# Altium PCB DIOT_temperature_logger.PcbDoc (part 6 of 8) (continued)
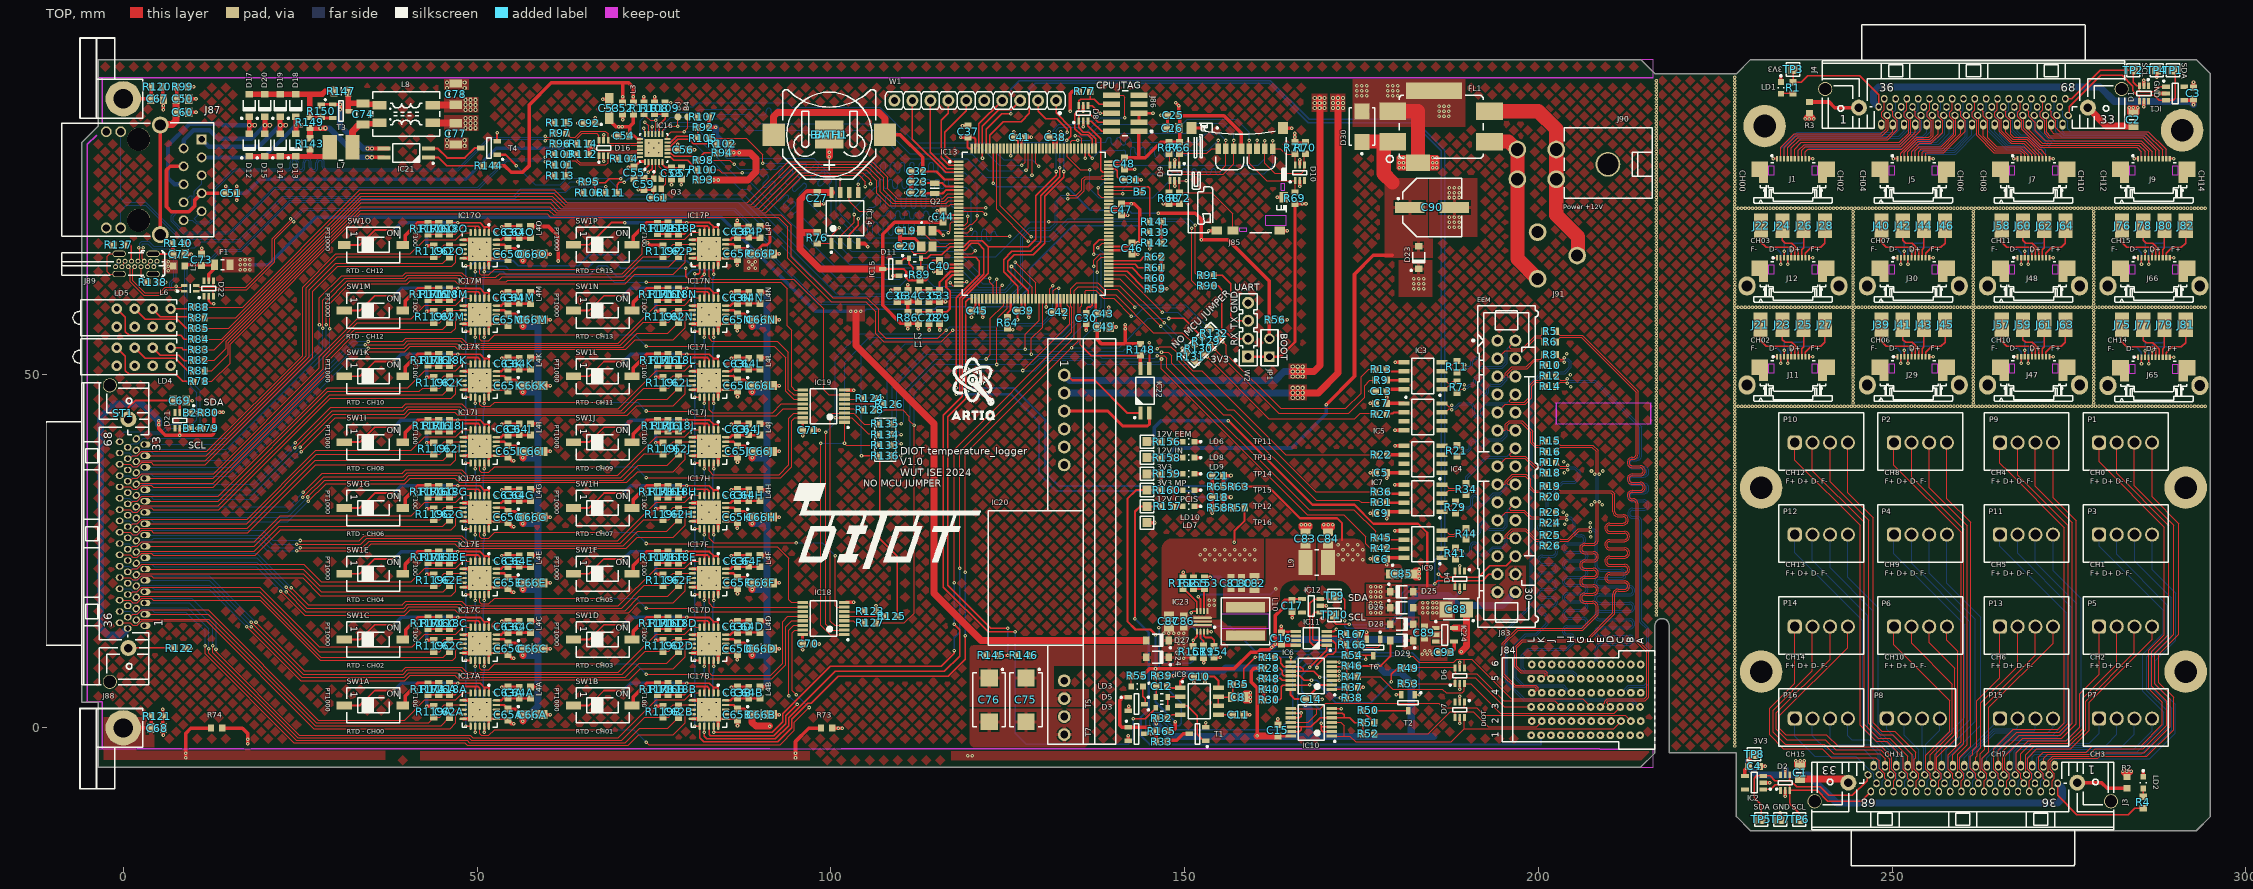
[diagram p0: TOP view]
## Nets (pads, with @x,y where several pads share a name; then routed paths per layer and width w, separated by ;. In a path a pad name is that pad's centre, name@x,y a point inside that pad or via, vN(x,y) a via of type N, cw(c..) or ccw(c..) an arc to the next point about the centre after c; other vN are vias at no path point) (continued)
  TOP w0.2: LD4.6@4.15,53.72 5.22,52.65 7.875,52.65 8.625,51.9 9.83,51.9 R82.2@9.88,51.95
NetLD4_8: LD4.8 R83.2 | length 3.3
  TOP w0.2: LD4.8@6.69,53.72 8.235,53.72 8.505,53.45 R83.2@9.88,53.45
NetLD5_2: LD5.2 R84.2 | length 13.8
  TOP w0.2: LD5.2@-0.93,59.22 0.28,58.01 0.28,56 0.83,55.45 8.13,55.45 8.63,54.95 R84.2@9.88,54.95
NetLD5_4: LD5.4 R85.2 | length 9.4
  TOP w0.2: LD5.4@1.61,59.22 3.105,57.725 7.63,57.725 8.905,56.45 R85.2@9.88,56.45
NetLD5_6: LD5.6 R87.2 | length 6.3
  TOP w0.2: LD5.6@4.15,59.22 5.245,58.125 9.705,58.125 R87.2@9.88,57.95
NetLD5_8: LD5.8 R88.2 | length 3.2
  TOP w0.2: LD5.8@6.69,59.25 R88.2@9.88,59.25
NetLD6_2: LD6.2 R156.2 | length 1.5
  TOP w0.5: R156.2@148.28,40.45 LD6.2@149.755,40.45
NetLD7_2: LD7.2 R157.2 | length 1.4
  TOP w0.5: R157.2@148.38,31.3 LD7.2@149.755,31.3
NetLD8_2: LD8.2 R158.2 | length 1.4
  TOP w0.5: R158.2@148.38,38.2 LD8.2@149.755,38.2
NetLD9_2: LD9.2 R159.1 | length 1.4
  TOP w0.5: R159.1@148.38,35.9 LD9.2@149.755,35.9
NetLD10_2: LD10.2 R160.1 | length 1.4
  TOP w0.5: R160.1@148.38,33.6 LD10.2@149.755,33.6
NetR33_1: R33.1 T1.3 | length 3.4
  TOP w0.5: R33.1@147.58,-1.75 148.905,-1.75 149.805,-0.85 T1.3@150.655,-0.85
NetR50_1: R50.1 T2.3 | length 4.8
  TOP w0.2: R50.1@176.78,2.45 176.83,2.4 T2.3@181.58,2.4
NetR50_2: R50.2 R51.1 | length 2.4
  TOP w0.2: R50.2@175.18,2.35 R50.2@175.18,2.45
  TOP w0.3: R50.2@175.18,2.35 R51.1@176.78,0.75
NetR54_2: R54.2 T5.1 T6.3 T7.1 | length 52.9
  TOP w0.2: R54.2@174.48,10.25 175.58,10.25 ; v1(175.58,9.7) 175.58,10.25 ; T6.3@176.68,10.2 176.63,10.25 175.58,10.25
  TOP w0.5: T5.1@142.13,4.3 T5.1@142.03,4.3 141.255,4.3 140.855,3.9 140.855,0.375 141.13,0.1 v2(145.055,0.1)
  BOT w0.2: v2(145.055,0.1) 145.055,1.025 145.58,1.55 146.255,1.55 148.105,-0.3 163.355,-0.3 165.28,1.625 165.28,8.325 166.68,9.725 168.53,9.725 168.88,10.075 174.055,10.075 174.43,9.7 v1(175.58,9.7)
NetR116A_1: R116A.1 R117A.1 SW1A.2 | length 6.5
  TOP w0.5: SW1A.2@39.88,3.175 39.88,4.55 41.605,6.275 42.88,6.275 R116A.1@44.28,6.275
NetR116B_1: R116B.1 R117B.1 SW1B.2 | length 6.6
  TOP w0.5: SW1B.2@72.105,3.175 72.105,4.375 74.005,6.275 75.28,6.275 R116B.1@76.68,6.275
NetR116C_1: R116C.1 R117C.1 SW1C.2 | length 6.5
  TOP w0.5: SW1C.2@39.905,12.5 39.905,13.875 41.605,15.575 42.88,15.575 R116C.1@44.28,15.575
NetR116D_1: R116D.1 R117D.1 SW1D.2 | length 6.6
  TOP w0.5: SW1D.2@72.105,12.475 72.105,13.675 74.005,15.575 75.28,15.575 R116D.1@76.68,15.575
NetR116E_1: R116E.1 R117E.1 SW1E.2 | length 6.5
  TOP w0.5: SW1E.2@39.88,21.775 39.88,23.15 41.605,24.875 42.88,24.875 R116E.1@44.28,24.875
NetR116F_1: R116F.1 R117F.1 SW1F.2 | length 6.6
  TOP w0.5: SW1F.2@72.105,21.775 72.105,22.975 74.005,24.875 75.28,24.875 R116F.1@76.68,24.875
NetR116G_1: R116G.1 R117G.1 SW1G.2 | length 6.5
  TOP w0.5: SW1G.2@39.88,31.075 39.88,32.45 41.605,34.175 42.88,34.175 R116G.1@44.28,34.175
NetR116H_1: R116H.1 R117H.1 SW1H.2 | length 6.6
  TOP w0.5: SW1H.2@72.105,31.075 72.105,32.275 74.005,34.175 75.28,34.175 R116H.1@76.68,34.175
NetR116I_1: R116I.1 R117I.1 SW1I.2 | length 6.5
  TOP w0.5: SW1I.2@39.88,40.375 39.88,41.75 41.605,43.475 42.88,43.475 R116I.1@44.28,43.475
NetR116J_1: R116J.1 R117J.1 SW1J.2 | length 6.6
  TOP w0.5: SW1J.2@72.105,40.375 72.105,41.575 74.005,43.475 75.28,43.475 R116J.1@76.68,43.475
NetR116K_1: R116K.1 R117K.1 SW1K.2 | length 6.5
  TOP w0.5: SW1K.2@39.88,49.675 39.88,51.05 41.605,52.775 42.88,52.775 R116K.1@44.28,52.775
NetR116L_1: R116L.1 R117L.1 SW1L.2 | length 6.6
  TOP w0.5: SW1L.2@72.105,49.675 72.105,50.875 74.005,52.775 75.28,52.775 R116L.1@76.68,52.775
NetR116M_1: R116M.1 R117M.1 SW1M.2 | length 6.5
  TOP w0.5: SW1M.2@39.88,58.975 39.88,60.35 41.605,62.075 42.88,62.075 R116M.1@44.28,62.075
NetR116N_1: R116N.1 R117N.1 SW1N.2 | length 6.6
  TOP w0.5: SW1N.2@72.105,58.975 72.105,60.175 74.005,62.075 75.28,62.075 R116N.1@76.68,62.075
NetR116O_1: R116O.1 R117O.1 SW1O.2 | length 6.5
  TOP w0.5: SW1O.2@39.88,68.25 39.88,69.625 41.605,71.35 42.88,71.35 R116O.1@44.28,71.35
NetR116P_1: R116P.1 R117P.1 SW1P.2 | length 6.6
  TOP w0.5: SW1P.2@72.105,68.275 72.105,69.475 74.005,71.375 75.28,71.375 R116P.1@76.68,71.375
NetR139_1: R139.1 R141.1 R142.2 | length 2.8
  TOP w0.3: R139.1@146.68,70.05 R141.1@146.68,71.45
  TOP w0.5: R142.2@146.68,68.65 R139.1@146.68,70.05
NetR166_2: R166.2 R167.2 T6.1 | length 5.7
  TOP w0.152: R167.2@174.48,13.25 R166.2@174.48,11.75 175.155,11.75 175.507,11.398 177.356,11.398 177.63,11.671 T6.1@177.63,12.5
OSC32_IN: C23.1 IC13.8 Q2.2 | length 5.3
  TOP w0.3: C23.1@112.98,76.95 113.005,76.975 Q2.2@114.68,76.975 115.755,76.975 116.23,76.5 IC13.8@118.055,76.5
OSC32_OUT: C22.1 IC13.9 Q2.1 | length 5.3
  TOP w0.3: C22.1@112.98,75.55 114.655,75.55 Q2.1@114.68,75.525 115.78,75.525 116.255,76 IC13.9@118.055,76
P3V3: C5.1 C6.1 C7.2 C9.1 C13.1 C25.2 C26.2 C27.2 C37.2 C38.2 C39.2 C40.2 C41.2 C42.2 C43.2 C44.2 C45.2 C46.2 C47.2 C48.2 C49.2 C52.2 C56.2 C65A.2 C65B.2 C65C.2 C65D.2 C65E.2 C65F.2 C65G.2 C65H.2 C65I.2 C65J.2 C65K.2 C65L.2 C65M.2 C65N.2 C65O.2 C65P.2 C66A.1 C66B.1 C66C.1 C66D.1 C66E.1 C66F.1 C66G.1 C66H.1 C66I.1 C66J.1 C66K.1 C66L.1 C66M.1 C66N.1 C66O.1 C66P.1 C70.2 C71.2 C84.2 C85.1 D8.5 D9.5 D10.5 D21.5 D28.2 IC3.8 IC4.8 IC5.1 IC7.8 IC9.8 IC13.17 IC13.30 IC13.39 IC13.52 IC13.62 IC13.72 IC13.84 IC13.95 IC13.108 IC13.121 IC13.131 IC13.143 IC13.144 IC14.8 IC15.3 IC16.9 IC17A.19 IC17B.19 IC17C.19 IC17D.19 IC17E.19 IC17F.19 IC17G.19 IC17H.19 IC17I.19 IC17J.19 IC17K.19 IC17L.19 IC17M.19 IC17N.19 IC17O.19 IC17P.19 IC18.16 IC19.16 J85.4 J86.1 J88.35 JP1.1 L1.1 L3.1 L4A.2 L4B.2 L4C.2 L4D.2 L4E.2 L4F.2 L4G.2 L4H.2 L4I.2 L4J.2 L4K.2 L4L.2 L4M.2 L4N.2 L4O.2 L4P.2 L9.2 R63.2 R66.2 R67.2 R68.2 R69.2 R70.2 R71.2 R72.2 R76.2 R77.2 R79.1 R80.1 R86.2 R89.2 R92.2 R93.2 R94.2 R107.1 R108.1 R123.1 R144.2 R148.2 R152.2 R159.2 TP14.1 W1.10 W2.1 | length 606.1
  TOP w0.2: C37.2@119.405,83.475 C37.2@119.48,83.55
  TOP w0.3: v1(7.98,41.35) D21.5@7.98,42.35 ; IC16.9@76.88,81.7 C56.2@78.355,81.7 ; IC15.3@107.33,64.85 110.28,64.85 110.655,64.475 110.655,63.6 111.005,63.25 R89.2@112.58,63.25 113.455,63.25 113.73,63.525 113.73,65.3 114.48,66.05 C40.2@115.38,66.05 ; C40.2@115.28,66.05 115.83,65.5 IC13.30@118.055,65.5 ; C44.2@115.78,71.45 116.33,72 IC13.17@118.055,72 ; C37.2@119.405,83.475 119.305,83.375 119.305,82.05 119.48,81.875 IC13.144@119.93,81.875 ; C37.2@119.48,83.55 119.605,83.425 120.23,83.425 120.43,83.225 IC13.143@120.43,81.875 ; IC13.39@120.93,60.625 120.93,59.4 C45.2@121.48,58.85 ; C41.2@125.88,83.65 126.43,83.1 IC13.131@126.43,81.875 ; IC13.52@127.43,60.625 127.43,59.4 C39.2@127.98,58.85 ; C38.2@130.98,83.55 131.43,83.1 IC13.121@131.43,81.875 ; IC13.62@132.43,60.625 132.43,59.4 132.98,58.85 C42.2@132.98,58.75 ; C49.2@137.43,57.2 IC13.72@137.43,60.625 ; IC13.84@139.305,68 142.03,68 C46.2@142.58,68.55 ; IC13.95@139.305,73.5 140.53,73.5 C47.2@141.08,74.05 ; IC13.108@139.305,80 141.03,80 C48.2@141.58,80.55 ; J86.1@143.494,84.274 J86.1@143.53,84.31 ; R63.2@158.48,34.1 161.83,34.1 166.305,29.625 171.555,29.625 172.255,28.925 172.255,26.575
  TOP w0.35: IC17A.19@52.73,3.225 53.83,3.225 C65A.2@54.38,2.675 ; IC17C.19@52.73,12.525 53.83,12.525 C65C.2@54.38,11.975 ; IC17E.19@52.73,21.825 53.83,21.825 C65E.2@54.38,21.275 ; IC17G.19@52.73,31.125 53.83,31.125 C65G.2@54.38,30.575 ; IC17I.19@52.73,40.425 53.83,40.425 C65I.2@54.38,39.875 ; IC17K.19@52.73,49.725 53.83,49.725 C65K.2@54.38,49.175 ; IC17M.19@52.73,59.025 53.83,59.025 C65M.2@54.38,58.475 ; IC17O.19@52.73,68.3 53.83,68.3 C65O.2@54.38,67.75 ; IC17B.19@85.13,3.225 86.23,3.225 C65B.2@86.78,2.675 ; IC17D.19@85.13,12.525 86.23,12.525 C65D.2@86.78,11.975 ; IC17F.19@85.13,21.825 86.23,21.825 C65F.2@86.78,21.275 ; IC17H.19@85.13,31.125 86.23,31.125 C65H.2@86.78,30.575 ; IC17J.19@85.13,40.425 86.23,40.425 C65J.2@86.78,39.875 ; IC17L.19@85.13,49.725 86.23,49.725 ; IC17N.19@85.13,59.025 86.23,59.025 C65N.2@86.78,58.475 ; IC17P.19@85.13,68.325 86.23,68.325 C65P.2@86.78,67.775
  TOP w0.4: C65A.2@54.38,2.675 55.405,2.675 56.205,1.875 C66A.1@56.48,1.875 ; C65C.2@54.38,11.975 55.405,11.975 56.205,11.175 C66C.1@56.48,11.175 ; C65E.2@54.38,21.275 55.405,21.275 C66E.1@56.205,20.475 ; C65G.2@54.38,30.575 55.405,30.575 56.205,29.775 C66G.1@56.48,29.775 ; C65I.2@54.38,39.875 55.405,39.875 56.205,39.075 C66I.1@56.48,39.075 ; C65K.2@54.38,49.175 55.405,49.175 56.205,48.375 C66K.1@56.48,48.375 ; C65M.2@54.38,58.475 55.405,58.475 56.205,57.675 C66M.1@56.48,57.675 ; C65O.2@54.38,67.75 55.405,67.75 56.205,66.95 C66O.1@56.48,66.95 ; 86.23,49.725 C65L.2@86.78,49.175 87.805,49.175 88.605,48.375 C66L.1@88.88,48.375 ; C65B.2@86.78,2.675 87.805,2.675 88.605,1.875 C66B.1@88.88,1.875 ; C65D.2@86.78,11.975 87.805,11.975 88.605,11.175 C66D.1@88.88,11.175 ; C65F.2@86.78,21.275 87.805,21.275 88.605,20.475 C66F.1@88.88,20.475 ; C65H.2@86.78,30.575 87.805,30.575 88.605,29.775 C66H.1@88.88,29.775 ; C65J.2@86.78,39.875 87.805,39.875 88.605,39.075 C66J.1@88.88,39.075 ; C65N.2@86.78,58.475 87.805,58.475 88.605,57.675 C66N.1@88.88,57.675 ; C65P.2@86.78,67.775 87.805,67.775 88.605,66.975 C66P.1@88.88,66.975 89.08,66.975 90.355,68.25 90.98,68.25 91.405,68.675 91.405,70.475 91.005,70.875 L4P.2@89.98,70.875 ; 95.455,70.875 95.655,71.075 ; v1@95.98,11.075 C70.2@95.98,12.05 ; C70.2@96.005,11.875 IC18.16@96.005,13.175 ; C71.2@96.03,42 IC19.16@96.03,43.175 ; W2.1@158.98,52.45 JP1.1@161.98,52.45 163.48,52.45 165.58,54.55 R69.2@165.58,74.05
  TOP w0.5: v1(5.005,43.4) v2(5.005,42.86) 5.005,42.3 5.955,41.35 v1(7.98,41.35) 12.53,41.35 12.78,41.6 R79.1@12.78,42.35 R80.1@12.78,44.55 ; R80.1@12.805,44.575 v1(13.605,44.575) v1@14.13,44.575 ; R144.2@52.48,79.45 53.88,79.45 54.83,78.5 56.43,78.5 57.405,79.475 57.405,88.075 60.505,91.175 70.58,91.175 ; L4A.2@57.58,5.775 v1(58.605,5.775) ; L4C.2@57.58,15.075 v1(58.605,15.075) ; L4E.2@57.58,24.375 v1(58.605,24.375) ; L4G.2@57.58,33.675 v1(58.605,33.675) ; L4I.2@57.58,42.975 v1(58.605,42.975) ; L4K.2@57.58,52.275 v1(58.605,52.275) ; L4M.2@57.58,61.575 v1(58.605,61.575) ; L4O.2@57.58,70.85 v1(58.605,70.85) 60.105,70.85 61.48,69.475 v2(61.48,65.975) ; C52.2@70.58,88.35 v1@70.58,89.1 ; v1(70.58,89.175) 70.58,91.175 ; L3.1@72.055,88.35 v1(72.055,89.175) 72.055,90.525 71.405,91.175 70.58,91.175 ; R108.1@75.08,88.35 v1(75.08,89.175) ; C56.2@78.355,81.7 v1(78.355,82.475) ; R107.1@82.78,86.35 R92.2@82.78,84.85 v1(83.705,84.85) ; L4B.2@89.98,5.775 v1(91.005,5.775) ; L4D.2@89.98,15.075 v1(91.005,15.075) ; L4F.2@89.98,24.375 v1(91.005,24.375) ; L4H.2@89.98,33.675 v1(91.005,33.675) ; L4J.2@89.98,42.975 v1(91.005,42.975) ; L4L.2@89.98,52.275 v1(91.005,52.275) ; L4N.2@89.98,61.575 v1(91.005,61.575) ; v1@95.98,11.075 v1(96.005,11.05) ; C71.2@95.98,42.05 96.03,42 v1(96.03,41.25) ; R123.1@106.38,16.5 v1(106.38,17.275) ; v1(110.88,56.375) R86.2@110.88,57.15 ; v1(112.38,56.375) L1.1@112.38,57.15 R86.2@110.88,57.15 ; C44.2@115.88,71.45 115.78,71.45 109.005,71.45 107.33,69.775 IC15.3@107.33,64.85 107.33,59.7 109.88,57.15 R86.2@110.88,57.15 ; v1(118.38,83.45) C37.2@119.38,83.45 ; v1(121.48,58.025) C45.2@121.48,58.85 ; C41.2@125.88,83.65 v1(125.88,84.275) ; v1(127.98,58.025) C39.2@127.98,58.85 ; C38.2@130.88,83.45 v1(130.88,84.275) ; v1(132.98,57.925) C42.2@132.98,58.75 ; v1(133.825,87.125) 133.825,89.62 134.155,89.95 R77.2@135.055,89.95 ; v1(135.68,87.125) D8.5@135.68,87.95 ; C49.2@137.63,56.7 C49.2@137.68,56.65 137.68,54.825 138.255,54.25 141.498,54.25 ; C47.2@141.08,74.05 v1(142.455,74.05) 142.88,74.05 143.655,73.275 143.655,68.8 v1(143.405,68.55) C46.2@142.58,68.55 ; v2(141.58,56.975) v2(141.58,56.4) 141.58,54.332 141.498,54.25 ; C48.2@141.58,80.55 143.455,80.55 ; 143.494,80.589 J86.1@143.494,84.274 ; 143.505,80.55 144.43,80.55 146.63,82.75 R67.2@147.78,82.75 R66.2@149.28,82.75 149.28,86.45 C25.2@149.205,86.525 ; R148.2@143.78,54.25 141.498,54.25 ; TP14.1@144.68,35.9 R159.2@146.78,35.9 ; v3(146.68,34.85) R159.2@146.68,35.9 ; v1(146.955,74.05) R68.2@147.78,74.05 R72.2@149.18,74.05 ; v1(148.58,76.575) D9.5@148.58,77.35 ; v2(148.755,88.325) v1(149.18,87.9) C25.2@149.18,86.55 C25.2@149.205,86.525 ; R152.2@149.78,21.25 v2(149.78,21.975) ; J85.4@158.03,81.85 158.03,84.05 155.555,86.525 C25.2@149.205,86.525 ; R69.2@165.58,74.05 v1(166.63,74.05) v2(167.155,74.05) ; v2(165.58,84.05) v1(165.58,83.5) R71.2@165.58,82.75 165.58,82.65 R70.2@167.08,82.65 ; D10.5@166.28,79.55 v1(166.28,80.3) ; v1(178.58,23.05) C6.1@178.58,23.85 ; C6.1@178.58,24.05 180.975,24.05 IC9.8@180.98,24.045 ; v1(178.58,29.575) C9.1@178.58,30.325 ; C9.1@178.58,30.425 C9.1@178.585,30.42 ; v1(178.58,35.3) C5.1@178.58,36.05 178.585,36.045 IC4.8@180.98,36.045 ; C7.2@178.58,45.85 v1(178.58,46.7) C13.1@178.58,47.55 178.88,47.85 IC3.8@180.975,47.85 ; C9.1@178.585,30.545 IC7.8@180.98,30.545 ; C7.2@178.585,45.855 IC5.1@180.98,45.855
  TOP w1: v2@56.48,28.86 C66G.1@56.48,29.775 ; v2@56.48,38.16 C66I.1@56.48,39.075 ; v2@56.48,47.46 C66K.1@56.48,48.375 ; v2@56.48,56.76 C66M.1@56.48,57.675 ; v2@56.48,66.035 C66O.1@56.48,66.95 ; v2@56.49,0.96 C66A.1@56.49,1.875 ; v2@56.49,10.26 C66C.1@56.49,11.175 ; v2@56.49,19.56 C66E.1@56.49,20.475 ; R93.2@82.855,77.425 v1(83.48,77.425) v1(84.08,77.425) 88.28,77.425 89.393,78.538 89.393,78.575 ; R94.2@85.555,81.25 v1(86.305,81.25) ; v1(87.055,81.25) 88.605,81.25 89.393,80.463 89.393,78.575 ; C66B.1@88.88,1.875 88.88,0.775 89.405,0.25 v1(91.355,0.25) ; v2@88.88,10.26 C66D.1@88.88,11.175 ; v2@88.88,19.56 C66F.1@88.88,20.475 ; v2@88.88,28.86 C66H.1@88.88,29.775 ; v2@88.88,38.16 C66J.1@88.88,39.075 ; v2@88.88,47.46 C66L.1@88.88,48.375 ; v2@88.88,56.76 C66N.1@88.88,57.675 ; 89.355,78.575 89.393,78.575 ; R76.2@98.055,70.025 95.655,70.025 ; IC14.8@100.075,75.65 C27.2@98.08,75.65 96.73,75.65 95.655,74.575 95.655,71.075 95.655,70.025 ; IC15.3@107.33,64.85 98.455,64.85 95.655,67.65 95.655,70.025
  BOT w1: J88.35@0.63,14.045 -0.29,13.125 -2.17,13.125 -3.195,14.15 -3.195,43.85 -1.295,45.75 2.655,45.75 v1(5.005,43.4) v2(5.005,42.86) ; v2(56.47,28.85) 58.605,28.85 ; v2(56.47,38.15) 58.605,38.15 ; v2(56.47,47.45) 58.305,47.45 58.605,47.15 ; v2(56.47,56.75) 58.605,56.75 58.605,47.15 ; v2(56.48,0.95) 58.605,3.075 v1(58.605,5.775) 58.605,19.6 ; v2(56.48,10.25) 58.555,10.25 58.605,10.3 ; v2(56.48,19.55) 58.555,19.55 58.605,19.6 ; v1(83.705,84.85) 83.705,83.725 86.18,81.25 v1(86.305,81.25) v1(87.055,81.25) ; v2@88.87,28.875 91.005,28.875 ; v2@88.87,38.175 91.005,38.175 ; v2@88.87,47.475 90.705,47.475 91.005,47.175 ; v2@88.87,56.775 91.005,56.775 ; v2@88.88,10.275 90.955,10.275 91.005,10.325 ; v2@88.88,19.575 90.955,19.575 91.005,19.625 ; v1(91.005,5.775) v1(91.005,15.075) 91.005,19.625 ; v1(91.005,61.575) 91.005,56.775 ; 58.605,19.6 v1(58.605,24.375) 58.605,28.85 ; 58.605,28.85 58.605,38.15 ; 58.605,38.15 58.605,47.15 ; 91.005,19.625 v1(91.005,24.375) 91.005,28.875 ; 91.005,28.875 v1(91.005,33.675) 91.005,38.175 ; 91.005,38.175 91.005,47.175 ; 91.005,47.175 v1(91.005,52.275) 91.005,56.775
  other v1: 172.38,23.75 173.78,23.75 175.18,23.75 171.68,24.45 173.08,24.45 174.48,24.45 172.38,25.15 173.78,25.15 175.18,25.15 171.68,25.85 173.08,25.85 174.48,25.85 14.155,44.575 88.42,64.946 89.348,64.946 88.873,65.425 88.42,65.875 89.348,65.896
  other v2: 88.87,10.25 88.87,19.55 88.87,28.85 88.87,38.15 88.87,47.45 88.87,56.75 56.47,66.025
P3V3_CPCIS: C10.2 C14.2 C15.2 C88.1 D6.5 D7.5 D29.2 IC6.2 IC6.14 IC8.8 IC10.14 IC24.5 R28.2 R30.1 R32.1 R39.1 R40.1 R46.1 | length 121.3
  TOP w0.3: C10.2@152.88,7.25 154.18,7.25 154.78,6.65 IC8.8@154.78,5.655 ; IC6.14@164.98,5.4 164.98,4.65 165.58,4.05 C14.2@167.08,4.05 169.08,6.05 IC6.2@170.78,6.05 ; v1(167.08,3.2) C14.2@167.08,4.025 ; R46.1@174.48,8.75 v1(177.305,8.75) 177.73,8.75 179.08,10.1 D29.2@179.08,12.35 ; v1(188.88,0.65) D7.5@188.88,1.45 ; D6.5@188.88,8.45 v1(188.88,9.25)
  TOP w0.4: C15.2@163.18,-1.15 164.955,-1.15 IC10.14@164.98,-1.175
  TOP w0.5: v1(145.98,0.55) R32.1@145.98,1.35 ; R39.1@147.58,7.35 v1(148.43,7.35) ; v1(152.88,6.45) C10.2@152.88,7.25 ; v2(160.23,-1.15) 160.23,3.975 ; R30.1@161.18,3.975 160.23,3.975 ; R30.1@161.18,4.15 R40.1@161.18,5.45 ; R28.2@161.18,8.45 v1(160.405,8.45) 159.88,8.45 159.405,7.975 159.405,6.475 160.23,5.65 160.23,3.975
  TOP w1: v2(160.23,-1.15) C15.2@163.18,-1.15 ; IC24.5@188.08,14.1 189.83,14.1 ; v2(189.11,10.78) 189.83,11.5 189.83,14.1 ; C88.1@189.83,16.75 189.83,14.1
  BOT w0.5: v1(152.88,6.45) 152.88,8.05
  BOT w1: v1(145.98,0.55) 147.73,-1.2 182.03,-1.2 ; v1@148.492,7.438 149.105,8.05 152.88,8.05 155.405,8.05 155.805,8.45 v1(160.405,8.45) ; v1(167.08,3.2) 167.655,2.625 167.655,-1.193 ; v1(177.305,8.75) 178.23,7.825 180.505,7.825 182.03,6.3 182.03,-1.2 ; 182.03,-1.205 182.03,-1.2 ; 185.23,-1.2 182.03,-1.2
P3V3_EXP1: C4.2 D2.5 IC2.4 J3.35 R4.2 TP8.1 | length 70.4
  TOP w0.2: J3.35@273.385,-7.85 273.385,-9.555 276.08,-12.25 283.38,-12.25 284.28,-11.35 R4.2@285.48,-11.35
  TOP w0.4: D2.5@234.88,-6.65 v1(234.88,-5.875)
  TOP w0.5: IC2.4@229.18,-6.8 229.18,-5.95 C4.2@229.68,-5.45 v1(229.68,-4.65) 229.68,-4.55 TP8.1@230.48,-3.75
  BOT w0.2: 234.68,-6.668 234.698,-6.65
  BOT w1: v1(229.68,-4.65) 229.68,-5.5 230.83,-6.65 234.698,-6.65 234.88,-6.468 v1(234.88,-5.875) ; 234.88,-6.65 238.18,-6.65 242.18,-10.65 273.38,-10.65 274.08,-9.95 274.08,-8.545 J3.35@273.385,-7.85
P3V3_EXP2: C3.2 D1.5 IC1.4 J4.35 R1.2 TP3.1 | length 69.7
  TOP w0.2: TP3.1@235.98,93.05 R1.2@235.98,91.25 237.18,91.25 238.08,92.15 245.38,92.15 248.075,89.455 J4.35@248.075,87.75
  TOP w0.5: v1(285.58,87.75) D1.5@285.58,88.55 ; IC1.4@291.28,88.7 292.43,88.7 C3.2@292.58,88.85 v1(292.58,88.075)
  BOT w0.5: v1(285.58,87.75) 285.58,88.546
  BOT w1: J4.35@248.075,87.75 247.38,88.445 247.38,89.85 248.08,90.55 279.38,90.55 281.38,88.55 285.58,88.55 ; 285.58,88.546 292.109,88.546 v1(292.58,88.075)
P3V3_MP: C16.2 C17.2 D4.5 D28.1 D29.1 IC11.8 IC12.4 J83.30 R54.1 R55.2 R160.2 R165.1 R166.1 TP15.1 | length 119.4
  TOP w0.3: v2@145.88,13.2 145.18,13.9 143.055,13.9 141.905,15.05 141.905,32.375 143.13,33.6 TP15.1@144.68,33.6 R160.2@146.78,33.6 ; C17.2@165.33,18.2 IC12.4@166.58,18.2 ; v1(188.88,19.15) D4.5@188.88,19.95 D4.5@188.88,19.975
  TOP w0.5: R55.2@144.08,7.375 145.08,8.375 v1(145.88,8.375) 157.03,8.375 159.355,10.7 160.33,10.7 160.667,11.037 161.972,11.037 v1@162.784,11.85 ; R165.1@147.58,-0.45 148.33,-0.45 148.655,-0.125 v2(148.655,0.875) ; C17.2@165.18,18.05 164.155,18.05 163.855,17.75 163.855,16.9 162.78,15.825 v1(162.78,11.85) v1@162.784,11.85 ; IC11.8@165.68,11.675 163.855,11.675 C16.2@163.68,11.85 v1@162.784,11.85 ; v2(171.955,12.55) 172.755,11.75 R166.1@172.88,11.75 R54.1@172.88,10.25
  BOT w0.3: v2(145.88,13.175) v1(145.88,8.375) 145.88,3.641 148.655,0.866 v2@148.655,0.775 ; 187.868,18.163 187.892,18.163
  BOT w0.5: 187.892,18.163 v1(188.88,19.15)
  BOT w1: v1@162.492,11.562 v1(162.78,11.85) 163.388,12.458 v2@171.988,12.458 ; v2@172.022,12.458 v1@181.105,12.458 ; 182.08,14.523 182.08,17.825 182.98,18.725 187.305,18.725 187.868,18.163 188.725,17.305 194.885,17.305 J83.30@196.75,19.17
  other v1: 162.33,11.4 181.105,11.625 181.105,12.325 181.105,13.025 181.105,13.925 181.105,14.625 181.105,15.325
P12V0_CPCIS: C89.2 D26.2 IC24.1 IC24.3 J84.A1 J84.D1 J84.E1 J84.G1 J84.H1 J84.J1 J84.K1 R157.1 TP12.1 | length 95.4
  TOP w0.3: v1(142.98,15.425) 142.98,30.575 143.705,31.3 TP12.1@144.68,31.3 R157.1@146.78,31.3
  BOT w0.3: v1(142.98,15.425) 143.805,14.6 144.93,13.475 144.93,2.625 143.805,1.5 143.805,-1.075 145.06,-2.33 200.369,-2.33 J84.K1@200.369,-1.05
  other v1: 183.68,16.25 184.38,16.25 183.68,16.95 184.38,16.95 183.68,17.65 184.38,17.65
P12V0_EEM: D25.2 J83.28 J83.29 R156.1 TP11.1 | length 57.2
  TOP w0.3: v2(156.18,43.425) 168.08,31.525 174.005,31.525 176.68,28.85 183.005,28.85 184.28,27.575 184.28,19.9
  TOP w0.5: TP11.1@144.68,40.45 v3(145.73,40.45) R156.1@146.68,40.45
  BOT w0.5: v3(145.73,40.45) 145.73,42.45 146.705,43.425 v2(156.18,43.425)
P12V0_IN: C90.1 D23.2 D30.1 FL1.2 R158.1 TP13.1 | length 67.5
  TOP w0.5: TP13.1@144.68,38.2 v3(145.73,38.2) R158.1@146.78,38.2 ; v1(170.005,45.675) 174.005,49.675 174.005,64.125 176.668,66.788 179.342,66.788
  TOP w2: D30.1@175.055,82.8 175.105,82.85 FL1.2@178.13,82.85 ; 179.38,77.05 178.13,78.3 FL1.2@178.13,82.85 ; FL1.2@179.405,82.85 FL1.2@178.13,82.85
  BOT w0.5: v3(145.73,38.2) 147.25,38.2 148.6,39.55 165.16,39.55 170.005,44.395 v1(170.005,45.675)
P12V0_POE: C75.1 C76.1 D24.2 IC20.8 R145.2
P12V0F: FL1.1 J90.3 J90.4 J91.3 | length 24
  TOP w2: FL1.1@193.105,82.85 195.77,82.85 196.886,81.735 J90.3@197.021,81.735 J90.4@197.021,77.535 197.021,68.284 197.021,66.291 J91.3@199.977,63.335
PE0: IC13.141 W1.3 | length 11.3
  TOP w0.2: v1(121.43,80.525) IC13.141@121.43,81.875 121.43,85.05 123.755,87.375 125.485,87.375 W1.3@126.76,88.65
PE1: IC13.142 W1.4 | length 8.1
  TOP w0.2: IC13.142@120.93,81.875 120.93,85.36 W1.4@124.22,88.65
PE2: IC13.1 W1.6 | length 11.2
  TOP w0.2: IC13.1@118.055,80 117.13,80 116.13,81 116.13,84.175 119.14,87.185 W1.6@119.14,88.65
PE3: IC13.2 W1.7 | length 11.4
  TOP w0.2: W1.7@116.6,88.65 116.6,86.845 115.605,85.85 115.605,80.625 116.73,79.5 IC13.2@118.055,79.5
PE4: IC13.3 W1.8 | length 12.3
  TOP w0.2: W1.8@114.06,88.65 114.06,81.345 116.405,79 IC13.3@118.055,79
PE5: IC13.4 W1.9 | length 13.9
  TOP w0.2: W1.9@111.52,88.65 111.52,83.185 116.205,78.5 IC13.4@118.055,78.5
PE6: IC13.5
PE7: IC13.58 | length 1.2
  TOP w0.2: v1(130.43,59.475) IC13.58@130.43,60.625
PE10: IC13.63
PF12_ADCIN: IC13.50 W1.2 | length 36.8
  TOP w0.2: IC13.50@126.43,60.625 126.43,62.425 124.43,64.425 124.43,66.175 125.58,67.325 128.255,67.325 129.63,68.7 129.63,75.175 132.355,77.9 v1(132.355,79.15) ; W1.2@129.3,88.65 129.3,87.143 130.343,86.1 131.93,86.1 133.43,84.6 v1(133.43,84.175)
  BOT w0.2: v1(132.355,79.15) 132.38,79.175 132.38,83.1 133.43,84.15 v1(133.43,84.175)
PF13_ADCIN: IC13.53 W1.1 | length 35.4
  TOP w0.2: IC13.53@127.93,60.625 127.93,61.75 125.005,64.675 125.005,65.925 125.905,66.825 128.58,66.825 130.23,68.475 130.23,75.125 132.905,77.8 v1(132.905,78.625) ; W1.1@131.84,88.65 131.84,86.915 133.93,84.825 133.93,83.6 133.355,83.025 v1(133.332,83.025)
  BOT w0.2: v1(132.905,78.625) 132.905,82.598 v1(133.332,83.025)
PFORCE_N00: J11.2 J13.1 | length 8.3
  TOP w0.2: J11.2@234.205,52.425 J11.2@234.23,52.45 v1(234.23,51.526)
  BOT w0.2: J13.1@231.38,56.95 231.38,54.7 232.18,53.9 233.505,53.9 234.23,53.175 v1(234.23,51.526)
PFORCE_N01: J12.2 J14.1 | length 8.3
  TOP w0.2: J12.2@234.205,66.426 234.23,66.451 v1(234.23,65.526)
  BOT w0.2: J14.1@231.38,70.951 231.38,68.7 232.18,67.9 233.505,67.9 234.23,67.175 v1(234.23,65.526)
PFORCE_N02: J11.6 J21.1 | length 8.7
  TOP w0.2: J21.1@231.38,56.95 231.38,54.7 232.18,53.9 235.905,53.9 236.23,53.575 J11.6@236.23,52.45
PFORCE_N03: J12.6 J22.1 | length 8.7
  TOP w0.2: J22.1@231.38,70.951 231.38,68.7 232.18,67.9 235.905,67.9 236.23,67.575 J12.6@236.23,66.451
PFORCE_N04: J29.2 J31.1 | length 8.3
  TOP w0.2: J29.2@251.205,52.425 J29.2@251.23,52.45 v1(251.23,51.526)
  BOT w0.2: J31.1@248.38,56.95 248.38,54.7 249.18,53.9 250.505,53.9 251.23,53.175 v1(251.23,51.526)
PFORCE_N05: J30.2 J32.1 | length 8.3
  TOP w0.2: J30.2@251.205,66.426 251.23,66.451 v1(251.23,65.526)
  BOT w0.2: J32.1@248.38,70.951 248.38,68.7 249.18,67.9 250.505,67.9 251.23,67.175 v1(251.23,65.526)
PFORCE_N06: J29.6 J39.1 | length 8.7
  TOP w0.2: J39.1@248.38,56.95 248.38,54.7 249.18,53.9 252.905,53.9 253.23,53.575 J29.6@253.23,52.45
PFORCE_N07: J30.9 J46.1 | length 6.4
  TOP w0.2: J30.9@254.73,66.451 254.73,67.05 255.58,67.9 256.88,67.9 257.48,68.5 J46.1@257.48,70.95
PFORCE_N08: J47.2 J49.1 | length 8.3
  TOP w0.2: J47.2@268.205,52.425 J47.2@268.23,52.45 v1(268.23,51.526)
  BOT w0.2: J49.1@265.38,56.95 265.38,54.7 266.18,53.9 267.505,53.9 268.23,53.175 v1(268.23,51.526)
PFORCE_N09: J48.2 J50.1 | length 8.3
  TOP w0.2: J48.2@268.205,66.426 268.23,66.451 v1(268.23,65.526)
  BOT w0.2: J50.1@265.38,70.951 265.38,68.7 266.18,67.9 267.505,67.9 268.23,67.175 v1(268.23,65.526)
PFORCE_N10: J47.6 J57.1 | length 8.7
  TOP w0.2: J57.1@265.38,56.95 265.38,54.7 266.18,53.9 269.905,53.9 270.23,53.575 J47.6@270.23,52.45
PFORCE_N11: J48.9 J64.1 | length 6.4
  TOP w0.2: J48.9@271.73,66.451 271.73,67.05 272.58,67.9 273.88,67.9 274.48,68.5 J64.1@274.48,70.95
PFORCE_N12: J65.2 J67.1 | length 8.3
  TOP w0.2: J65.2@285.205,52.351 J65.2@285.23,52.375 v1(285.23,51.451)
  BOT w0.2: J67.1@282.38,56.876 282.38,54.625 283.18,53.825 284.505,53.825 285.23,53.1 v1(285.23,51.451)
PFORCE_N13: J66.2 J68.1 | length 8.3
  TOP w0.2: J66.2@285.205,66.426 285.23,66.451 v1(285.23,65.526)
  BOT w0.2: J68.1@282.38,70.951 282.38,68.7 283.18,67.9 284.505,67.9 285.23,67.175 v1(285.23,65.526)
PFORCE_N14: J65.6 J75.1 | length 8.7
  TOP w0.2: J75.1@282.38,56.876 282.38,54.625 283.18,53.825 286.905,53.825 287.23,53.5 J65.6@287.23,52.375
PFORCE_N15: J66.9 J82.1 | length 6.4
  TOP w0.2: J66.9@288.73,66.451 288.73,67.05 289.58,67.9 290.88,67.9 291.48,68.5 J82.1@291.48,70.95
PFORCE_P00: J11.5 J19.1 | length 8.6
  TOP w0.2: J11.5@235.74,52.45 v1(235.74,53.375)
  BOT w0.2: v1(235.74,53.375) 236.265,53.9 239.88,53.9 240.48,54.5 J19.1@240.48,56.95
PFORCE_P01: J12.5 J20.1 | length 8.6
  TOP w0.2: J12.5@235.74,66.451 v1(235.74,67.375)
  BOT w0.2: v1(235.74,67.375) 236.265,67.9 239.88,67.9 240.48,68.5 J20.1@240.48,70.95
PFORCE_P02: J11.9 J27.1 | length 6.4
  TOP w0.2: J11.9@237.73,52.45 237.73,53.05 238.58,53.9 239.88,53.9 240.48,54.5 J27.1@240.48,56.95
PFORCE_P03: J12.9 J28.1 | length 6.4
  TOP w0.2: J12.9@237.73,66.451 237.73,67.05 238.58,67.9 239.88,67.9 240.48,68.5 J28.1@240.48,70.95